# KiCad board doom v1.kicad_pcb
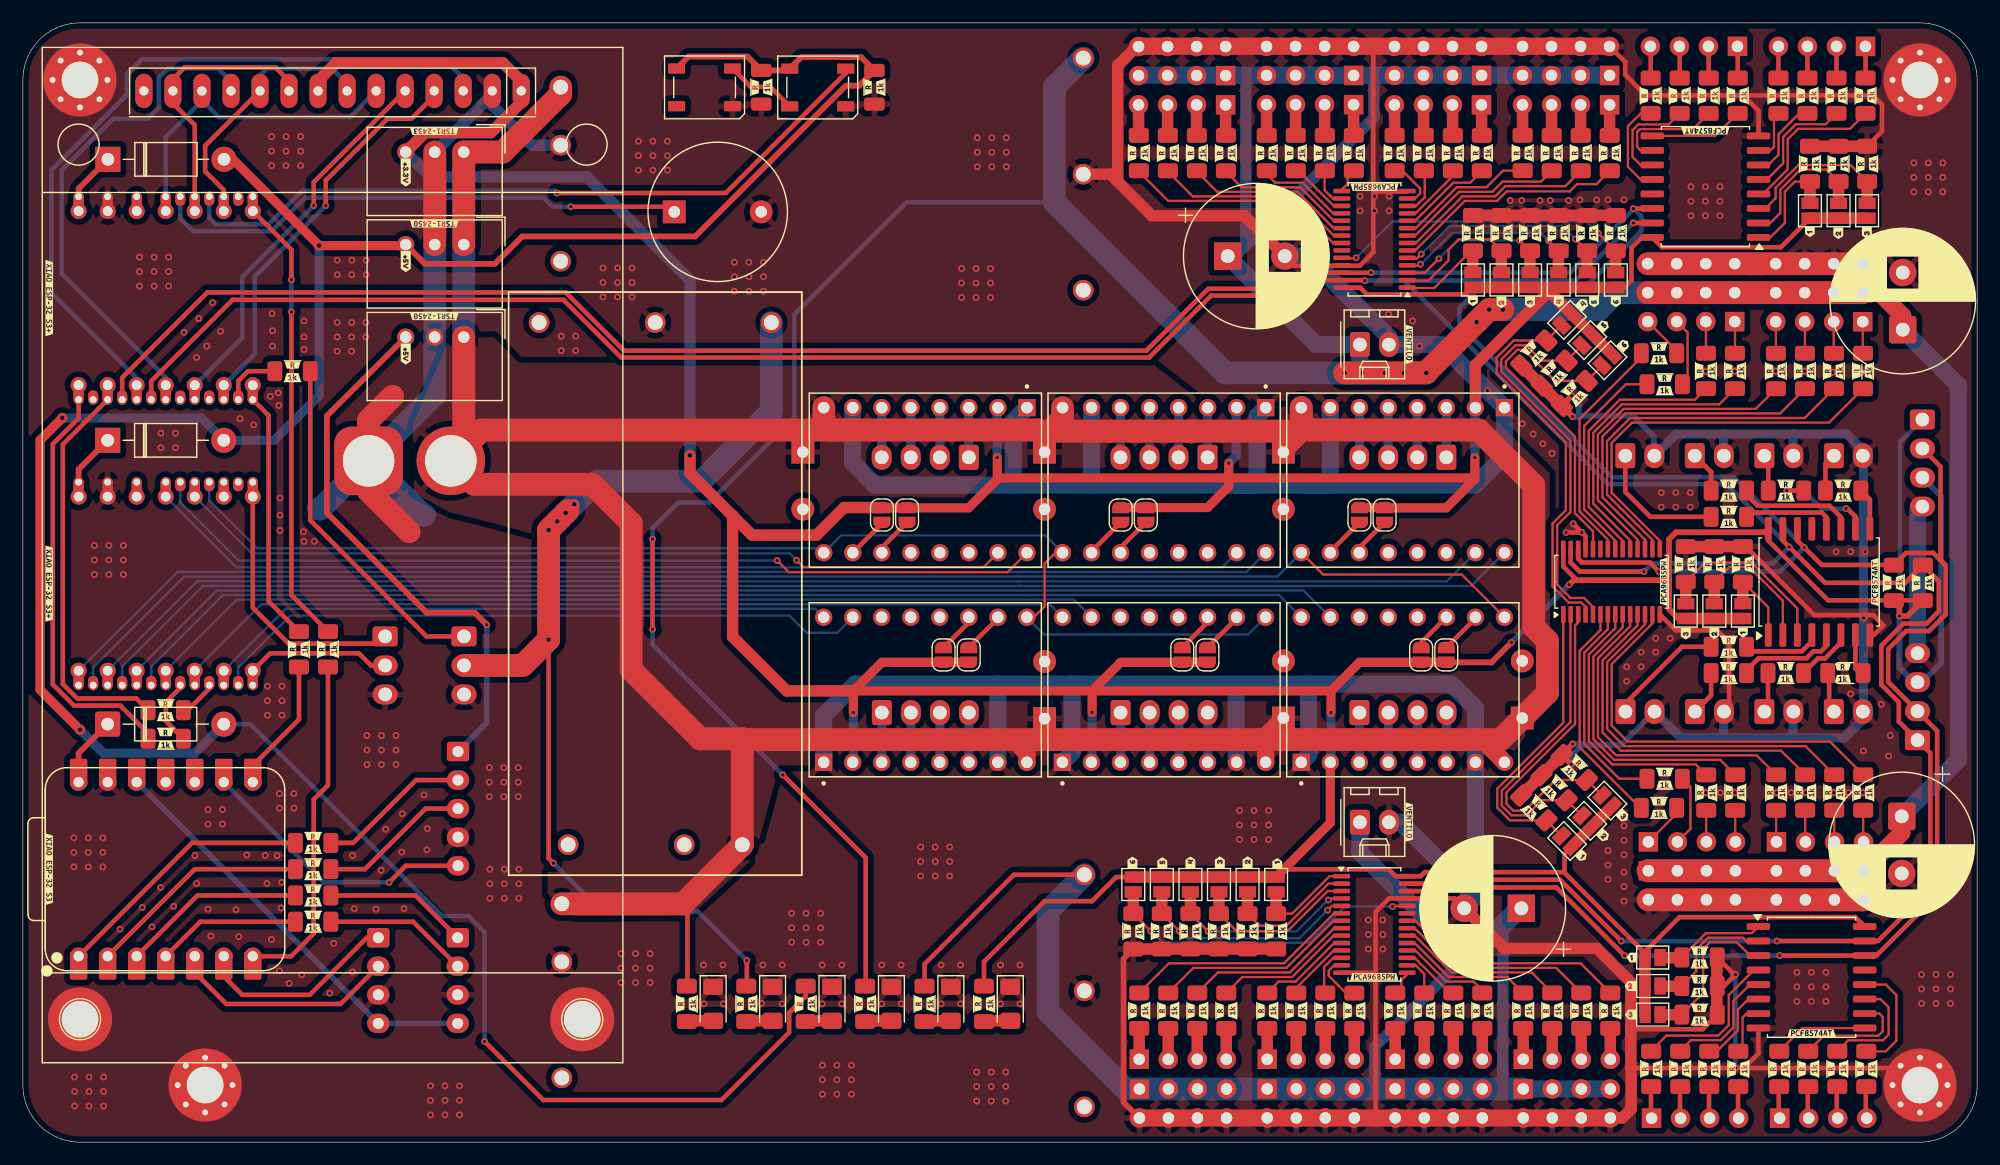
[diagram p0: board, top side]
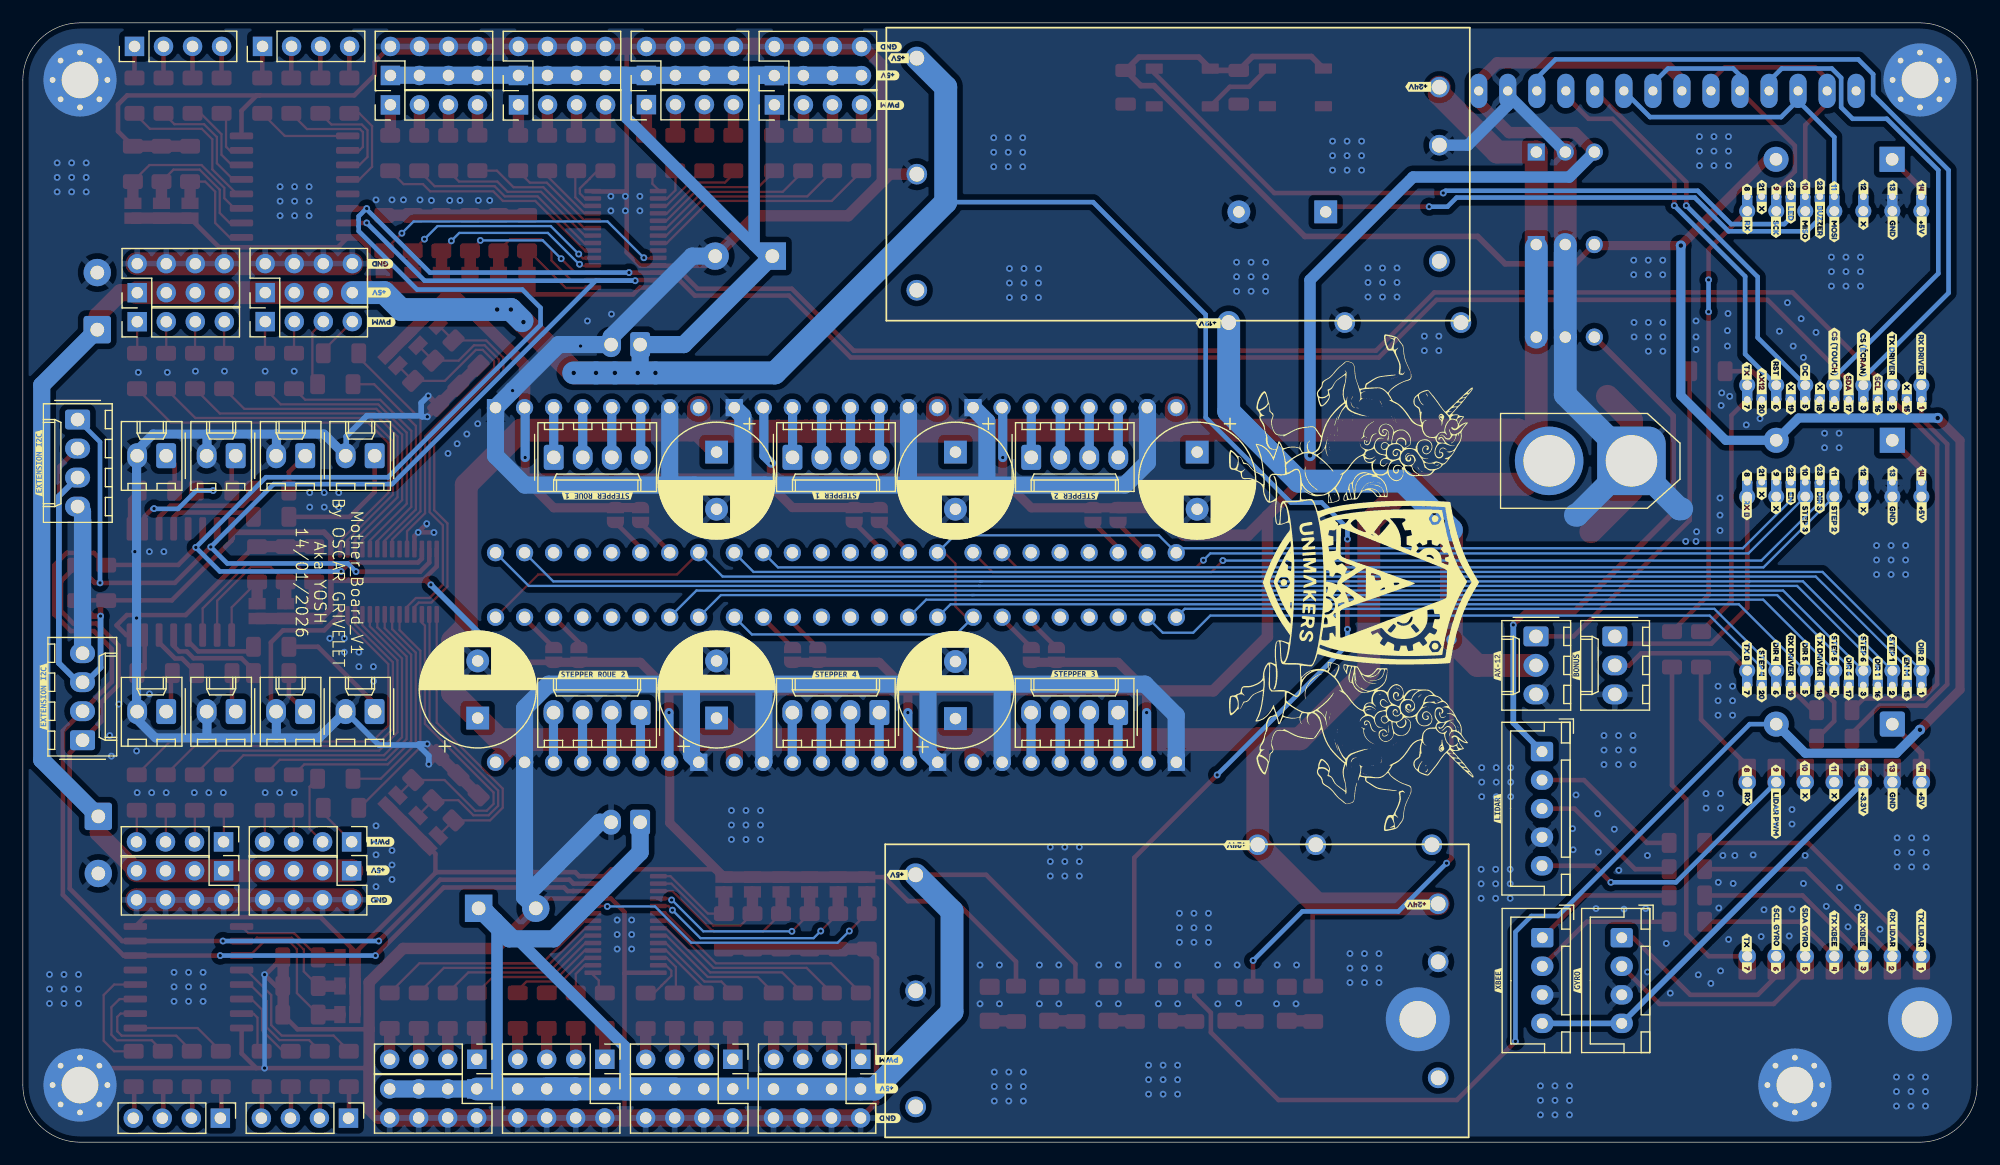
[diagram p1: board, bottom side, seen from below]

Outline 171 x 98 mm; copper layers: Top, Bottom. Coordinates in mm from the lower left corner of the outline.
Outline path: 0,93 arc(1.46,96.54) 5,98 166,98 arc(169.54,96.54) 171,93 171,5 arc(169.54,1.46) 166,0 5,0 arc(1.46,1.46) 0,5 0,93
Stack: Top 0.035mm / dielectric 1.51mm FR4 er 4.5 / Bottom 0.035mm

## Placement (name value [footprint] x y rotation side)
Batcon2  Conn_01x02  [AMASS_XT60-F_1x02_P7.20mm_Vertical]  30.25 59.65 0 bottom
BZ1  Buzzer  [Buzzer_12x9.5RM7.6]  57 81.45 0 top
C1  100µF  [CP_Radial_D10.0mm_P5.00mm]  110.3 60.42 270 bottom
C2  100µF  [CP_Radial_D10.0mm_P5.00mm]  89.4 60.42 270 bottom
C3  100µF  [CP_Radial_D10.0mm_P5.00mm]  68.25 60.42 270 bottom
C4  100µF  [CP_Radial_D10.0mm_P5.00mm]  89.4 37.08 90 bottom
C5  100µF  [CP_Radial_D10.0mm_P5.00mm]  110.3 37.13 90 bottom
C6  100µF  [CP_Radial_D10.0mm_P5.00mm]  131.2 37.13 90 bottom
C8  470µF  [CP_Radial_D12.5mm_P5.00mm#2]  131.12 20.48 180 top
C9  470µF  [CP_Radial_D12.5mm_P5.00mm#2]  105.42 77.58 0 top
C10  470µF  [CP_Radial_D12.5mm_P5.00mm]  164.49 71.14 90 top
C11  100nF  [C_1206_3216Metric]  64.61 92.36 270 top
C13  100nF  [C_1206_3216Metric]  74.51 92.36 270 top
C15  470µF  [CP_Radial_D12.5mm_P5.00mm]  164.4 28.52 270 top
D1  D_Shottky  [D_DO-41_SOD81_P10.16mm_Horizontal]  7.42 61.45 0 top
D3  D_Shottky  [D_DO-41_SOD81_P10.16mm_Horizontal]  7.44 86.05 0 top
D5  LED_Small  [LED_1206_3216Metric_Pad1.42x1.75mm_HandSolder]  70.8 12.11 270 top
D6  LED_Small  [LED_1206_3216Metric_Pad1.42x1.75mm_HandSolder]  81.2 12.11 270 top
D7  LED_Small  [LED_1206_3216Metric_Pad1.42x1.75mm_HandSolder]  65.6 12.11 270 top
D8  LED_Small  [LED_1206_3216Metric_Pad1.42x1.75mm_HandSolder]  60.4 12.11 270 top
D9  LED_Small  [LED_1206_3216Metric_Pad1.42x1.75mm_HandSolder]  76 12.11 270 top
D10  LED_Small  [LED_1206_3216Metric_Pad1.42x1.75mm_HandSolder]  86.4 12.11 270 top
D11  WS2812B  [LED_WS2812B_PLCC4_5.0x5.0mm_P3.2mm]  69.55 92.34 0 top
D12  WS2812B  [LED_WS2812B_PLCC4_5.0x5.0mm_P3.2mm]  59.65 92.35 0 top
D13  D_Shottky  [D_DO-41_SOD81_P10.16mm_Horizontal#2]  7.42 36.6 0 top
G***  -  [LOGO]  42.03 50.12 270 bottom
H1  MountingHole_Pad  [MountingHole_3.2mm_M3_Pad_Via]  5 93 0 top
H2  MountingHole_Pad  [MountingHole_3.2mm_M3_Pad_Via]  15.95 5 0 top
H3  MountingHole_Pad  [MountingHole_3.2mm_M3_Pad_Via]  166 93 0 top
H4  MountingHole_Pad  [MountingHole_3.2mm_M3_Pad_Via]  166 5 0 top
H5  MountingHole_Pad  [MountingHole_3.2mm_M3_DIN965_Pad]  5 10.76 0 top
H6  MountingHole_Pad  [MountingHole_3.2mm_M3_DIN965_Pad]  48.94 10.76 0 top
J1  STEPPER G  [Molex_KK-254_AE-6410-04A_1x04_P2.54mm_Vertical]  124.55 59.96 180 bottom
J2  STEPPER 1  [Molex_KK-254_AE-6410-04A_1x04_P2.54mm_Vertical]  103.66 59.96 180 bottom
J3  STEPPER 3  [Molex_KK-254_AE-6410-04A_1x04_P2.54mm_Vertical]  82.77 59.96 180 bottom
J4  STEPPER D  [Molex_KK-254_AE-6410-04A_1x04_P2.54mm_Vertical]  75.16 37.61 0 bottom
J5  STEPPER 2  [Molex_KK-254_AE-6410-04A_1x04_P2.54mm_Vertical]  96.05 37.61 0 bottom
J6  STEPPER 4  [Molex_KK-254_AE-6410-04A_1x04_P2.54mm_Vertical]  116.95 37.61 0 bottom
J7  Conn_01x04  [PinHeader_1x04_P2.54mm_Vertical]  97.68 7.25 270 bottom
J8  Conn_01x04  [PinHeader_1x04_P2.54mm_Vertical]  108.88 7.25 270 bottom
J9  Conn_01x04  [PinHeader_1x04_P2.54mm_Vertical]  120.08 7.25 270 bottom
J10  Conn_01x04  [PinHeader_1x04_P2.54mm_Vertical]  131.28 7.25 270 bottom
J11  Conn_01x04  [PinHeader_1x04_P2.54mm_Vertical]  138.84 90.82 90 bottom
J12  Conn_01x04  [PinHeader_1x04_P2.54mm_Vertical]  127.63 90.82 90 bottom
J13  Conn_01x04  [PinHeader_1x04_P2.54mm_Vertical]  116.44 90.84 90 bottom
J14  Conn_01x04  [PinHeader_1x04_P2.54mm_Vertical]  105.24 90.82 90 bottom
J15  Conn_01x04  [PinHeader_1x04_P2.54mm_Vertical]  142.23 26.29 270 bottom
J16  Conn_01x04  [PinHeader_1x04_P2.54mm_Vertical]  153.44 26.29 270 bottom
J17  Conn_01x04  [PinHeader_1x04_P2.54mm_Vertical]  160.99 71.83 90 bottom
J18  Conn_01x04  [PinHeader_1x04_P2.54mm_Vertical]  149.79 71.84 90 bottom
J19  Conn_01x04  [PinHeader_1x04_P2.54mm_Vertical]  142.51 2.1 270 bottom
J20  Conn_01x04  [PinHeader_1x04_P2.54mm_Vertical]  153.72 2.1 270 bottom
J21  Conn_01x04  [PinHeader_1x04_P2.54mm_Vertical]  161.23 95.94 90 bottom
J22  Conn_01x04  [PinHeader_1x04_P2.54mm_Vertical]  150.03 95.94 90 bottom
J23  Conn_01x02  [Molex_KK-254_AE-6410-02A_1x02_P2.54mm_Vertical]  140.23 37.7 0 bottom
J24  Conn_01x02  [Molex_KK-254_AE-6410-02A_1x02_P2.54mm_Vertical]  146.31 37.7 0 bottom
J25  Conn_01x02  [Molex_KK-254_AE-6410-02A_1x02_P2.54mm_Vertical]  152.38 37.7 0 bottom
J26  Conn_01x02  [Molex_KK-254_AE-6410-02A_1x02_P2.54mm_Vertical]  158.46 37.7 0 bottom
J27  Conn_01x02  [Molex_KK-254_AE-6410-02A_1x02_P2.54mm_Vertical]  158.46 60.1 0 bottom
J28  Conn_01x02  [Molex_KK-254_AE-6410-02A_1x02_P2.54mm_Vertical]  152.38 60.1 0 bottom
J29  Conn_01x02  [Molex_KK-254_AE-6410-02A_1x02_P2.54mm_Vertical]  146.3 60.1 0 bottom
J30  Conn_01x02  [Molex_KK-254_AE-6410-02A_1x02_P2.54mm_Vertical]  140.21 60.1 0 bottom
J31  Conn_02x04_Odd_Even  [PinHeader_2x04_P2.54mm_Vertical]  131.28 4.66 270 bottom
J32  Conn_02x04_Odd_Even  [PinHeader_2x04_P2.54mm_Vertical]  120.08 4.66 270 bottom
J33  Conn_02x04_Odd_Even  [PinHeader_2x04_P2.54mm_Vertical]  108.88 4.66 270 bottom
J34  Conn_02x04_Odd_Even  [PinHeader_2x04_P2.54mm_Vertical]  97.7 4.66 270 bottom
J35  Conn_02x04_Odd_Even  [PinHeader_2x04_P2.54mm_Vertical]  116.44 93.39 90 bottom
J36  Conn_02x04_Odd_Even  [PinHeader_2x04_P2.54mm_Vertical]  127.64 93.39 90 bottom
J37  Conn_02x04_Odd_Even  [PinHeader_2x04_P2.54mm_Vertical]  138.84 93.39 90 bottom
J38  Conn_02x04_Odd_Even  [PinHeader_2x04_P2.54mm_Vertical]  105.24 93.38 90 bottom
J39  Conn_02x04_Odd_Even  [PinHeader_2x04_P2.54mm_Vertical]  153.43 23.76 270 bottom
J40  Conn_02x04_Odd_Even  [PinHeader_2x04_P2.54mm_Vertical]  142.23 23.76 270 bottom
J41  Conn_02x04_Odd_Even  [PinHeader_2x04_P2.54mm_Vertical]  149.79 74.38 90 bottom
J42  Conn_02x04_Odd_Even  [PinHeader_2x04_P2.54mm_Vertical]  160.99 74.37 90 bottom
J43  I2C Extension  [Molex_KK-254_AE-6410-04A_1x04_P2.54mm_Vertical]  165.78 35.19 90 bottom
J44  I2C Extension  [Molex_KK-254_AE-6410-04A_1x04_P2.54mm_Vertical]  166.21 63.27 270 bottom
J45  UART BONUS  [Molex_KK-254_AE-6410-03A_1x03_P2.54mm_Vertical]  31.7 44.28 270 bottom
J46  con AX12A  [Molex_KK-254_AE-6410-03A_1x03_P2.54mm_Vertical]  38.6 44.28 270 bottom
J47  gyro  [JST_XH_B4B-XH-A_1x04_P2.50mm_Vertical]  31.1 17.9 270 bottom
J48  ventilo 1  [Molex_KK-254_AE-6410-02A_1x02_P2.54mm_Vertical]  116.99 28.01 0 top
J49  ventilo 2  [Molex_KK-254_AE-6410-02A_1x02_P2.54mm_Vertical]  116.99 69.83 0 top
J50  LIDAR  [JST_XH_B5B-XH-A_1x05_P2.50mm_Vertical]  38.07 34.2 270 bottom
J51  XBEE  [JST_XH_B4B-XH-A_1x04_P2.50mm_Vertical]  38.05 17.9 270 bottom
JP1  Jumper_2_Open  [SolderJumper-2_P1.3mm_Open_RoundedPad1.0x1.5mm]  116.95 54.91 270 top
JP2  Jumper_2_Open  [SolderJumper-2_P1.3mm_Open_RoundedPad1.0x1.5mm]  119.15 54.91 270 top
JP3  Jumper_2_Open  [SolderJumper-2_P1.3mm_Open_RoundedPad1.0x1.5mm]  96.06 54.91 270 top
JP4  Jumper_2_Open  [SolderJumper-2_P1.3mm_Open_RoundedPad1.0x1.5mm]  98.26 54.91 270 top
JP5  Jumper_2_Open  [SolderJumper-2_P1.3mm_Open_RoundedPad1.0x1.5mm]  75.17 54.91 270 top
JP6  Jumper_2_Open  [SolderJumper-2_P1.3mm_Open_RoundedPad1.0x1.5mm]  77.37 54.91 270 top
JP7  Jumper_2_Open  [SolderJumper-2_P1.3mm_Open_RoundedPad1.0x1.5mm]  82.76 42.66 90 top
JP8  Jumper_2_Open  [SolderJumper-2_P1.3mm_Open_RoundedPad1.0x1.5mm]  80.56 42.66 90 top
JP9  Jumper_2_Open  [SolderJumper-2_P1.3mm_Open_RoundedPad1.0x1.5mm]  103.65 42.66 90 top
JP10  Jumper_2_Open  [SolderJumper-2_P1.3mm_Open_RoundedPad1.0x1.5mm]  101.45 42.66 90 top
JP11  Jumper_2_Open  [SolderJumper-2_P1.3mm_Open_RoundedPad1.0x1.5mm]  124.55 42.66 90 top
JP12  Jumper_2_Open  [SolderJumper-2_P1.3mm_Open_RoundedPad1.0x1.5mm]  122.35 42.66 90 top
JP13  Jumper_2_Open  [SolderJumper-2_P1.3mm_Open_Pad1.0x1.5mm]  109.66 22.56 270 top
JP14  Jumper_2_Open  [SolderJumper-2_P1.3mm_Open_Pad1.0x1.5mm]  107.16 22.56 270 top
JP15  Jumper_2_Open  [SolderJumper-2_P1.3mm_Open_Pad1.0x1.5mm]  104.66 22.56 270 top
JP16  Jumper_2_Open  [SolderJumper-2_P1.3mm_Open_Pad1.0x1.5mm]  102.16 22.56 270 top
JP17  Jumper_2_Open  [SolderJumper-2_P1.3mm_Open_Pad1.0x1.5mm]  99.66 22.56 270 top
JP18  Jumper_2_Open  [SolderJumper-2_P1.3mm_Open_Pad1.0x1.5mm]  97.16 22.56 270 top
JP19  Jumper_2_Open  [SolderJumper-2_P1.3mm_Open_Pad1.0x1.5mm]  126.88 75.49 90 top
JP20  Jumper_2_Open  [SolderJumper-2_P1.3mm_Open_Pad1.0x1.5mm]  129.38 75.49 90 top
JP21  Jumper_2_Open  [SolderJumper-2_P1.3mm_Open_Pad1.0x1.5mm]  131.88 75.49 90 top
JP22  Jumper_2_Open  [SolderJumper-2_P1.3mm_Open_Pad1.0x1.5mm]  134.38 75.49 90 top
JP23  Jumper_2_Open  [SolderJumper-2_P1.3mm_Open_Pad1.0x1.5mm]  136.88 75.49 90 top
JP24  Jumper_2_Open  [SolderJumper-2_P1.3mm_Open_Pad1.0x1.5mm]  139.38 75.49 90 top
JP25  Jumper_2_Open  [SolderJumper-2_P1.3mm_Open_Pad1.0x1.5mm#2]  135.11 26.37 135 top
JP26  Jumper_2_Open  [SolderJumper-2_P1.3mm_Open_Pad1.0x1.5mm#2]  136.88 28.14 135 top
JP27  Jumper_2_Open  [SolderJumper-2_P1.3mm_Open_Pad1.0x1.5mm#2]  138.65 29.9 135 top
JP28  Jumper_2_Open  [SolderJumper-2_P1.3mm_Open_Pad1.0x1.5mm#2]  135.12 71.99 225 top
JP29  Jumper_2_Open  [SolderJumper-2_P1.3mm_Open_Pad1.0x1.5mm#2]  136.89 70.23 225 top
JP30  Jumper_2_Open  [SolderJumper-2_P1.3mm_Open_Pad1.0x1.5mm#2]  138.65 68.46 225 top
JP31  Jumper_2_Open  [SolderJumper-2_P1.3mm_Open_Pad1.0x1.5mm]  142.61 16.17 0 top
JP32  Jumper_2_Open  [SolderJumper-2_P1.3mm_Open_Pad1.0x1.5mm]  142.61 13.67 0 top
JP33  Jumper_2_Open  [SolderJumper-2_P1.3mm_Open_Pad1.0x1.5mm]  142.61 11.17 0 top
JP34  Jumper_2_Open  [SolderJumper-2_P1.3mm_Open_Pad1.0x1.5mm]  156.37 81.55 90 top
JP35  Jumper_2_Open  [SolderJumper-2_P1.3mm_Open_Pad1.0x1.5mm]  158.87 81.55 90 top
JP36  Jumper_2_Open  [SolderJumper-2_P1.3mm_Open_Pad1.0x1.5mm]  161.37 81.55 90 top
JP37  Jumper_2_Open  [SolderJumper-2_P1.3mm_Open_Pad1.0x1.5mm]  150.5 46.5 90 top
JP38  Jumper_2_Open  [SolderJumper-2_P1.3mm_Open_Pad1.0x1.5mm]  148 46.5 90 top
JP39  Jumper_2_Open  [SolderJumper-2_P1.3mm_Open_Pad1.0x1.5mm]  145.5 46.5 90 top
kibuzzard-690E943A  G***  [kibuzzard-690E943A]  134.35 66.96 45 top
kibuzzard-690E943A#2  G***  [kibuzzard-690E943A]  84.62 12.11 90 top
kibuzzard-690E943A#3  G***  [kibuzzard-690E943A]  129.89 79.59 90 top
kibuzzard-690E943A#4  G***  [kibuzzard-690E943A]  125.67 11.51 90 top
kibuzzard-690E943A#5  G***  [kibuzzard-690E943A]  149.25 40.57 0 top
kibuzzard-690E943A#6  G***  [kibuzzard-690E943A]  131.75 86.6 90 top
kibuzzard-690E943A#7  G***  [kibuzzard-690E943A]  146.01 50.6 90 top
kibuzzard-690E943A#8  G***  [kibuzzard-690E943A]  74.21 12.11 90 top
kibuzzard-690E943A#9  G***  [kibuzzard-690E943A]  147.8 30.61 90 top
kibuzzard-690E943A#10  G***  [kibuzzard-690E943A]  105.18 18.46 90 top
kibuzzard-690E943A#11  G***  [kibuzzard-690E943A]  79.41 12.11 90 top
kibuzzard-690E943A#12  G***  [kibuzzard-690E943A]  132.59 68.72 45 top
kibuzzard-690E943A#13  G***  [kibuzzard-690E943A]  149.27 42.87 0 top
kibuzzard-690E943A#14  G***  [kibuzzard-690E943A]  150.61 6.41 90 top
kibuzzard-690E943A#15  G***  [kibuzzard-690E943A]  148.02 91.63 90 top
kibuzzard-690E943A#16  G***  [kibuzzard-690E943A]  147.77 67.52 90 top
kibuzzard-690E943A#17  G***  [kibuzzard-690E943A]  151 50.6 90 top
kibuzzard-690E943A#18  G***  [kibuzzard-690E943A]  154.25 40.57 0 top
kibuzzard-690E943A#19  G***  [kibuzzard-690E943A]  159.38 85.65 90 top
kibuzzard-690E943A#20  G***  [kibuzzard-690E943A]  150.32 67.52 90 top
kibuzzard-690E943A#21  G***  [kibuzzard-690E943A]  105.81 11.51 90 top
kibuzzard-690E943A#22  G***  [kibuzzard-690E943A]  139.89 79.59 90 top
kibuzzard-690E943A#23  G***  [kibuzzard-690E943A]  143.16 28.75 0 top
kibuzzard-690E943A#24  G***  [kibuzzard-690E943A]  161.55 30.61 90 top
kibuzzard-690E943A#25  G***  [kibuzzard-690E943A]  134.3 86.6 90 top
kibuzzard-690E943A#26  G***  [kibuzzard-690E943A]  159.27 6.41 90 top
kibuzzard-690E943A#27  G***  [kibuzzard-690E943A]  63.82 12.11 90 top
kibuzzard-690E943A#28  G***  [kibuzzard-690E943A]  156.89 85.65 90 top
kibuzzard-690E943A#29  G***  [kibuzzard-690E943A]  133.62 30.67 315 top
kibuzzard-690E943A#30  G***  [kibuzzard-690E943A]  110.17 18.46 90 top
kibuzzard-690E943A#31  G***  [kibuzzard-690E943A]  111.94 11.51 90 top
kibuzzard-690E943A#32  G***  [kibuzzard-690E943A]  158.96 67.52 90 top
kibuzzard-690E943A#33  G***  [kibuzzard-690E943A]  24.65 43.15 90 top
kibuzzard-690E943A#34  G***  [kibuzzard-690E943A]  156.66 91.63 90 top
kibuzzard-690E943A#35  G***  [kibuzzard-690E943A]  114.47 11.51 90 top
kibuzzard-690E943A#36  G***  [kibuzzard-690E943A]  161.74 91.63 90 top
kibuzzard-690E943A#37  G***  [kibuzzard-690E943A]  100.17 18.46 90 top
kibuzzard-690E943A#38  G***  [kibuzzard-690E943A]  120.55 86.6 90 top
kibuzzard-690E943A#39  G***  [kibuzzard-690E943A]  153.88 67.52 90 top
kibuzzard-690E943A#40  G***  [kibuzzard-690E943A]  156.74 6.41 90 top
kibuzzard-690E943A#41  G***  [kibuzzard-690E943A]  145.49 91.63 90 top
kibuzzard-690E943A#42  G***  [kibuzzard-690E943A]  153.92 30.61 90 top
kibuzzard-690E943A#43  G***  [kibuzzard-690E943A]  142.98 6.41 90 top
kibuzzard-690E943A#44  G***  [kibuzzard-690E943A]  25.4 18.79 0 top
kibuzzard-690E943A#45  G***  [kibuzzard-690E943A]  123.1 86.6 90 top
kibuzzard-690E943A#46  G***  [kibuzzard-690E943A]  25.4 21.09 0 top
kibuzzard-690E943A#47  G***  [kibuzzard-690E943A]  97.68 18.46 90 top
kibuzzard-690E943A#48  G***  [kibuzzard-690E943A]  107.67 18.46 90 top
kibuzzard-690E943A#49  G***  [kibuzzard-690E943A]  111.9 86.6 90 top
kibuzzard-690E943A#50  G***  [kibuzzard-690E943A]  154.27 56.53 0 top
kibuzzard-690E943A#51  G***  [kibuzzard-690E943A]  134.9 79.59 90 top
kibuzzard-690E943A#52  G***  [kibuzzard-690E943A]  146.71 15.65 0 top
kibuzzard-690E943A#53  G***  [kibuzzard-690E943A]  125.63 86.6 90 top
kibuzzard-690E943A#54  G***  [kibuzzard-690E943A]  150.57 91.63 90 top
kibuzzard-690E943A#55  G***  [kibuzzard-690E943A]  143.66 65.85 0 top
kibuzzard-690E943A#56  G***  [kibuzzard-690E943A]  100.74 11.51 90 top
kibuzzard-690E943A#57  G***  [kibuzzard-690E943A]  159.25 40.57 0 top
kibuzzard-690E943A#58  G***  [kibuzzard-690E943A]  109.39 11.51 90 top
kibuzzard-690E943A#59  G***  [kibuzzard-690E943A]  75.02 92.36 90 top
kibuzzard-690E943A#60  G***  [kibuzzard-690E943A]  128.22 11.51 90 top
kibuzzard-690E943A#61  G***  [kibuzzard-690E943A]  114.43 86.6 90 top
kibuzzard-690E943A#62  G***  [kibuzzard-690E943A]  137.4 79.59 90 top
kibuzzard-690E943A#63  G***  [kibuzzard-690E943A]  103.22 86.6 90 top
kibuzzard-690E943A#64  G***  [kibuzzard-690E943A]  136.11 65.19 45 top
kibuzzard-690E943A#65  G***  [kibuzzard-690E943A]  159.19 91.63 90 top
kibuzzard-690E943A#66  G***  [kibuzzard-690E943A]  12.5 37.3 0 top
kibuzzard-690E943A#67  G***  [kibuzzard-690E943A]  136.87 11.51 90 top
kibuzzard-690E943A#68  G***  [kibuzzard-690E943A]  23.6 66.99 0 top
kibuzzard-690E943A#69  G***  [kibuzzard-690E943A]  98.15 86.6 90 top
kibuzzard-690E943A#70  G***  [kibuzzard-690E943A]  148.06 6.41 90 top
kibuzzard-690E943A#71  G***  [kibuzzard-690E943A]  148.5 50.6 90 top
kibuzzard-690E943A#72  G***  [kibuzzard-690E943A]  136.83 86.6 90 top
kibuzzard-690E943A#73  G***  [kibuzzard-690E943A]  146.71 10.66 0 top
kibuzzard-690E943A#74  G***  [kibuzzard-690E943A]  105.77 86.6 90 top
kibuzzard-690E943A#75  G***  [kibuzzard-690E943A]  161.82 6.41 90 top
kibuzzard-690E943A#76  G***  [kibuzzard-690E943A]  131.79 11.51 90 top
kibuzzard-690E943A#77  G***  [kibuzzard-690E943A]  109.35 86.6 90 top
kibuzzard-690E943A#78  G***  [kibuzzard-690E943A]  127.4 79.59 90 top
kibuzzard-690E943A#79  G***  [kibuzzard-690E943A]  12.5 34.81 0 top
kibuzzard-690E943A#80  G***  [kibuzzard-690E943A]  161.88 85.65 90 top
kibuzzard-690E943A#81  G***  [kibuzzard-690E943A]  164.23 48.97 90 top
kibuzzard-690E943A#82  G***  [kibuzzard-690E943A]  132.39 79.59 90 top
kibuzzard-690E943A#83  G***  [kibuzzard-690E943A]  161.51 67.52 90 top
kibuzzard-690E943A#84  G***  [kibuzzard-690E943A]  139.38 86.6 90 top
kibuzzard-690E943A#85  G***  [kibuzzard-690E943A]  65.12 92.35 90 top
kibuzzard-690E943A#86  G***  [kibuzzard-690E943A]  58.61 12.11 90 top
kibuzzard-690E943A#87  G***  [kibuzzard-690E943A]  156.47 30.61 90 top
kibuzzard-690E943A#88  G***  [kibuzzard-690E943A]  98.19 11.51 90 top
kibuzzard-690E943A#89  G***  [kibuzzard-690E943A]  102.67 18.46 90 top
kibuzzard-690E943A#90  G***  [kibuzzard-690E943A]  120.59 11.51 90 top
kibuzzard-690E943A#91  G***  [kibuzzard-690E943A]  123.14 11.51 90 top
kibuzzard-690E943A#92  G***  [kibuzzard-690E943A]  25.4 25.7 0 top
kibuzzard-690E943A#93  G***  [kibuzzard-690E943A]  134.34 11.51 90 top
kibuzzard-690E943A#94  G***  [kibuzzard-690E943A]  149.27 56.53 0 top
kibuzzard-690E943A#95  G***  [kibuzzard-690E943A]  143.66 31.3 0 top
kibuzzard-690E943A#96  G***  [kibuzzard-690E943A]  100.7 86.6 90 top
kibuzzard-690E943A#97  G***  [kibuzzard-690E943A]  145.53 6.41 90 top
kibuzzard-690E943A#98  G***  [kibuzzard-690E943A]  103.26 11.51 90 top
kibuzzard-690E943A#99  G***  [kibuzzard-690E943A]  142.94 91.63 90 top
kibuzzard-690E943A#100  G***  [kibuzzard-690E943A]  139.42 11.51 90 top
kibuzzard-690E943A#101  G***  [kibuzzard-690E943A]  159.27 56.53 0 top
kibuzzard-690E943A#102  G***  [kibuzzard-690E943A]  69.02 12.11 90 top
kibuzzard-690E943A#103  G***  [kibuzzard-690E943A]  117.02 11.51 90 top
kibuzzard-690E943A#104  G***  [kibuzzard-690E943A]  116.98 86.6 90 top
kibuzzard-690E943A#105  G***  [kibuzzard-690E943A]  154.19 6.41 90 top
kibuzzard-690E943A#106  G***  [kibuzzard-690E943A]  166.76 48.97 90 top
kibuzzard-690E943A#107  G***  [kibuzzard-690E943A]  27.2 43.15 90 top
kibuzzard-690E943A#108  G***  [kibuzzard-690E943A]  159 30.61 90 top
kibuzzard-690E943A#109  G***  [kibuzzard-690E943A]  131.86 28.9 315 top
kibuzzard-690E943A#110  G***  [kibuzzard-690E943A]  154.11 91.63 90 top
kibuzzard-690E943A#111  G***  [kibuzzard-690E943A]  128.18 86.6 90 top
kibuzzard-690E943A#112  G***  [kibuzzard-690E943A]  156.43 67.52 90 top
kibuzzard-690E943A#113  G***  [kibuzzard-690E943A]  149.27 54.23 0 top
kibuzzard-690E943A#114  G***  [kibuzzard-690E943A]  135.39 32.43 315 top
kibuzzard-690E943A#115  G***  [kibuzzard-690E943A]  146.71 13.16 0 top
kibuzzard-690E943A#116  G***  [kibuzzard-690E943A]  25.4 23.38 0 top
kibuzzard-690E943A#117  G***  [kibuzzard-690E943A]  143.16 68.56 0 top
kibuzzard-690E943A#118  G***  [kibuzzard-690E943A]  150.35 30.61 90 top
kibuzzard-690E9406  G***  [kibuzzard-690E9406]  163.18 48.97 90 top
kibuzzard-690E9406#2  G***  [kibuzzard-690E9406]  144.48 6.41 90 top
kibuzzard-690E9406#3  G***  [kibuzzard-690E9406]  130.7 86.6 90 top
kibuzzard-690E9406#4  G***  [kibuzzard-690E9406]  143.66 32.35 0 top
kibuzzard-690E9406#5  G***  [kibuzzard-690E9406]  97.1 86.6 90 top
kibuzzard-690E9406#6  G***  [kibuzzard-690E9406]  25.4 22.14 0 top
kibuzzard-690E9406#7  G***  [kibuzzard-690E9406]  165.71 48.97 90 top
kibuzzard-690E9406#8  G***  [kibuzzard-690E9406]  127.17 11.51 90 top
kibuzzard-690E9406#9  G***  [kibuzzard-690E9406]  135.78 86.6 90 top
kibuzzard-690E9406#10  G***  [kibuzzard-690E9406]  152.87 30.61 90 top
kibuzzard-690E9406#11  G***  [kibuzzard-690E9406]  23.6 68.04 0 top
kibuzzard-690E9406#12  G***  [kibuzzard-690E9406]  101.62 18.46 90 top
kibuzzard-690E9406#13  G***  [kibuzzard-690E9406]  138.84 79.59 90 top
kibuzzard-690E9406#14  G***  [kibuzzard-690E9406]  73.97 92.36 90 top
kibuzzard-690E9406#15  G***  [kibuzzard-690E9406]  83.57 12.11 90 top
kibuzzard-690E9406#16  G***  [kibuzzard-690E9406]  155.61 91.63 90 top
kibuzzard-690E9406#17  G***  [kibuzzard-690E9406]  104.76 11.51 90 top
kibuzzard-690E9406#18  G***  [kibuzzard-690E9406]  155.69 6.41 90 top
kibuzzard-690E9406#19  G***  [kibuzzard-690E9406]  25.4 19.84 0 top
kibuzzard-690E9406#20  G***  [kibuzzard-690E9406]  143.16 29.8 0 top
kibuzzard-690E9406#21  G***  [kibuzzard-690E9406]  131.84 69.47 45 top
kibuzzard-690E9406#22  G***  [kibuzzard-690E9406]  133.61 67.7 45 top
kibuzzard-690E9406#23  G***  [kibuzzard-690E9406]  104.13 18.46 90 top
kibuzzard-690E9406#24  G***  [kibuzzard-690E9406]  154.27 57.58 0 top
kibuzzard-690E9406#25  G***  [kibuzzard-690E9406]  26.15 43.15 90 top
kibuzzard-690E9406#26  G***  [kibuzzard-690E9406]  102.17 86.6 90 top